# Altium PCB Urukul.PcbDoc (part 4 of 12)
Units mm, origin at the board's own origin, x right, y up, seen from the top; angles counter-clockwise.
Board outline 160.99 x 100 mm, 6 copper layers (L1, P2, L3, L4, P5, L6), stack 1.648 mm thick; 971 components, 541 nets, 3373 pads, 2358 vias.
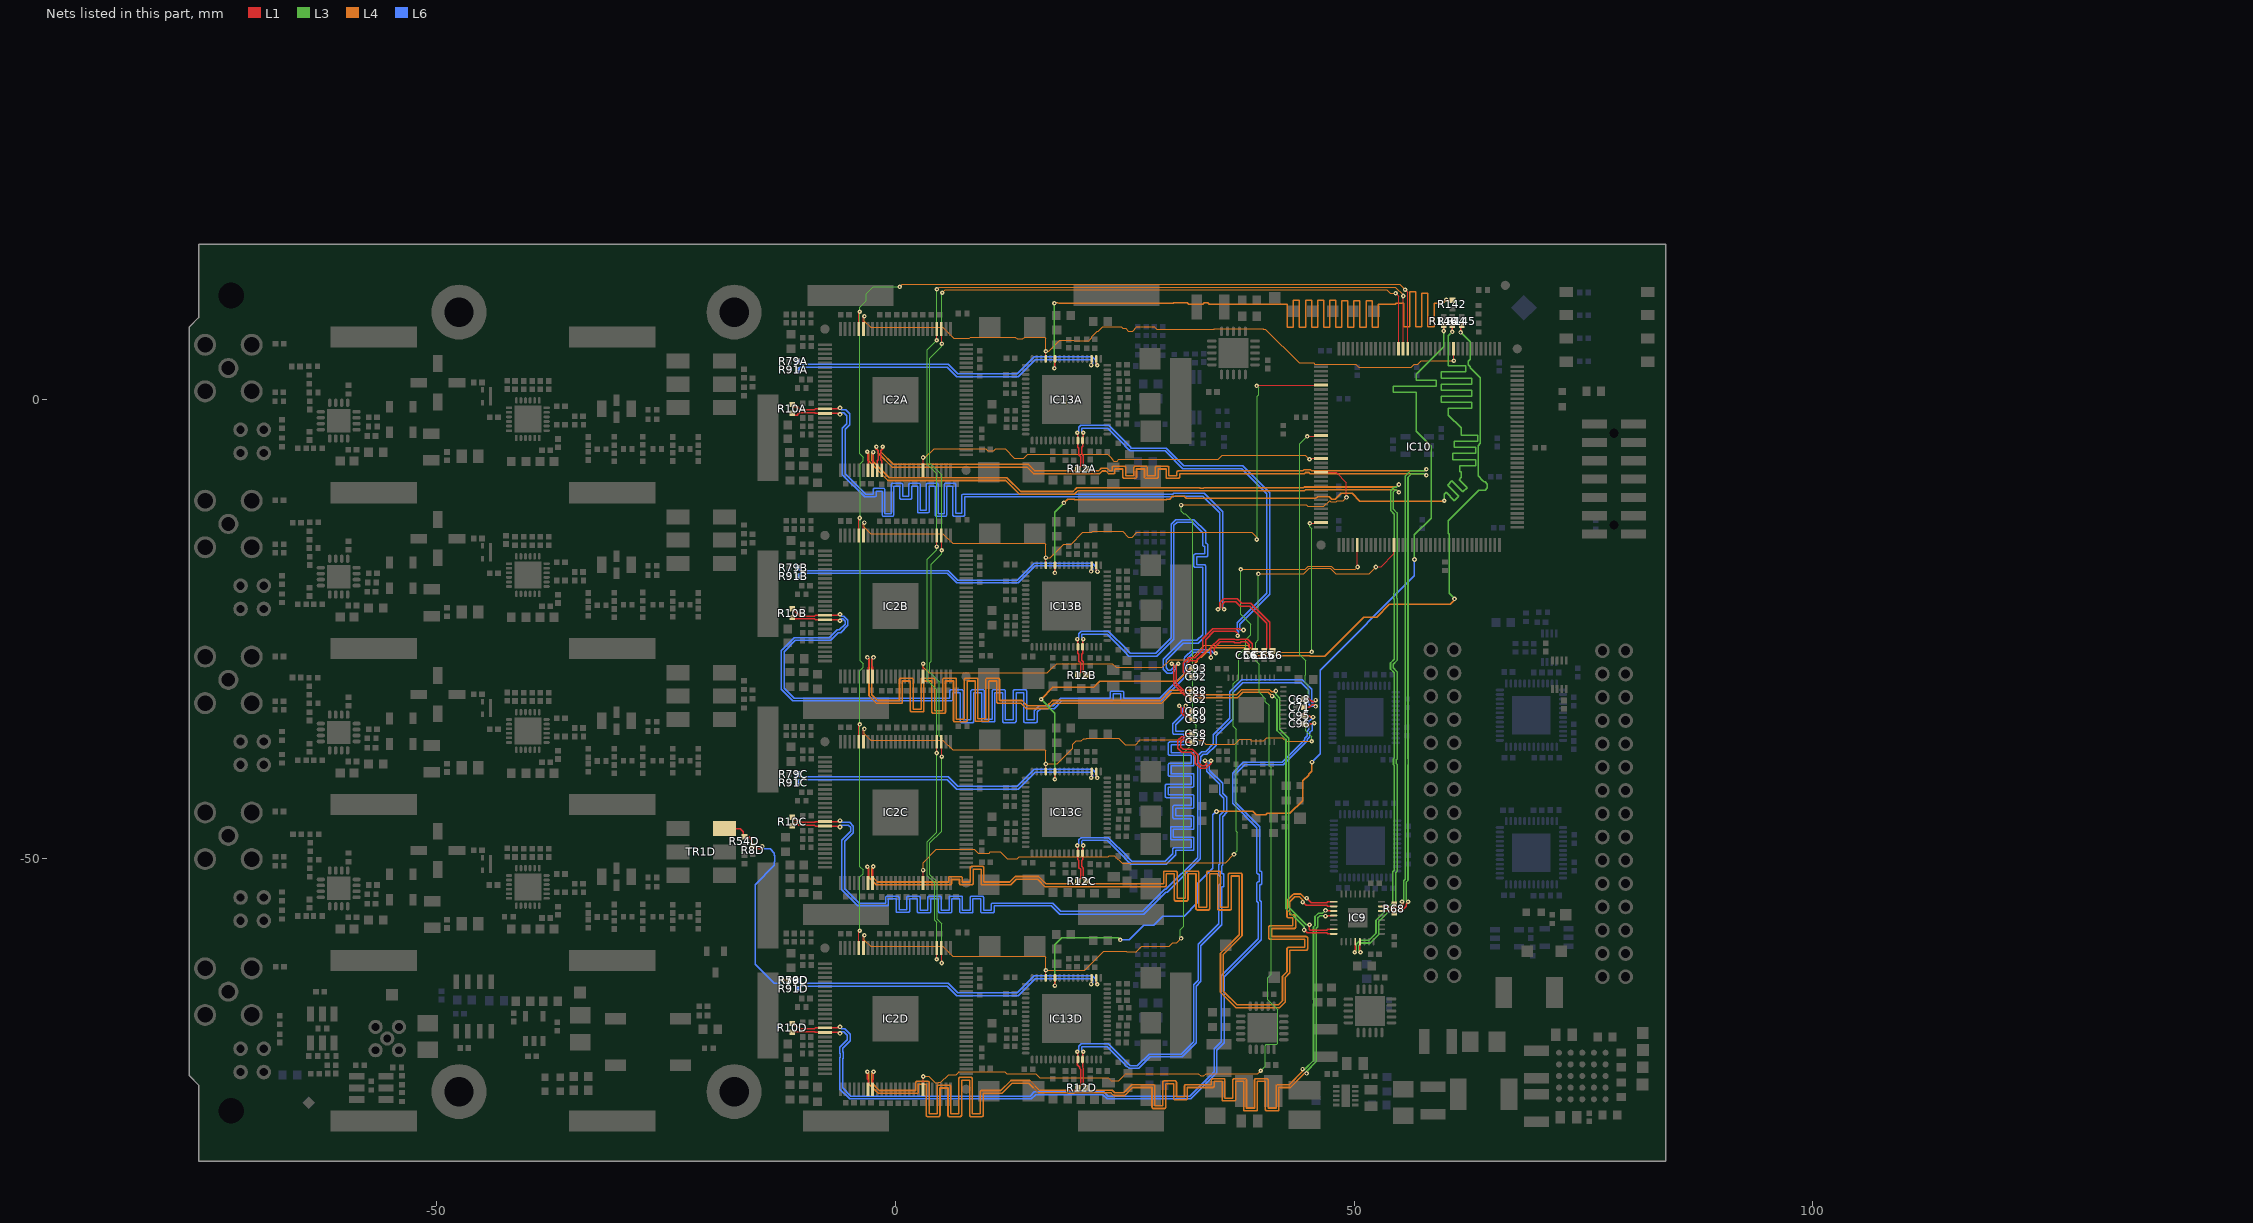
[diagram p8: the nets of this part, all layers, seen from the top]

## Via types
v1: diameter 0.5, hole 0.2, L1 to L6, tented both sides, 2267 vias
v2: diameter 0.6, hole 0.3, L1 to L6, tented both sides, 88 vias
v3: diameter 0.5, hole 0.2, L1 to L6, 3 vias

## Nets (pads, with @x,y where several pads share a name; then routed paths per layer and width w, separated by ;. In a path a pad name is that pad's centre, name@x,y a point inside that pad or via, vN(x,y) a via of type N, cw(c..) or ccw(c..) an arc to the next point about the centre after c; other vN are vias at no path point) (continued)
DAC_OUTD_P: R8D.2 R54D.1 R56D.2 R79D.2 TR1D.6 | length 25.5
  L1 w0.152: TR1D.6@-18.65,-46.776 -16.924,-46.776 -16.6,-47.099 -16.6,-47.669 R54D.1@-16.475,-47.669 -15.965,-47.669 -15.854,-47.78 -15.854,-47.899 -15.6,-48.153 R8D.2@-15.6,-48.658 ; R8D.2@-15.562,-48.658 R8D.2@-15.6,-48.658 ; v1@-14.513,-48.794 -14.682,-48.963 -15.001,-48.963 -15.013,-48.975 -15.282,-48.975 -15.579,-48.679 R8D.2@-15.6,-48.658 ; v1@-12.17,-63.328 R56D.2@-11.62,-63.328
  L6 w0.152: v1@-14.513,-48.794 -14.484,-48.794 -14.312,-48.965 -13.687,-48.965 -13.208,-49.444 -13.208,-49.698 -13.188,-49.718 -13.188,-50.366 -13.208,-50.386 -13.208,-50.789 -15.3,-52.88 -15.3,-61.551 -13.229,-63.622 -12.602,-63.622 v1(-12.297,-63.317) ; v1@-12.17,-63.328 R79D.2@-11.62,-63.328
  other v1: -14.513,-48.694
DAC_OUTRA_N: IC13A.51 R91A.1 | length 35
  L1 w0.152: v1@21.199,3.772 21.222,3.749 21.325,3.749 21.39,3.749 21.39,3.772 IC13A.51@21.39,4.45
  L6 w0.152: R91A.1@-10.68,3.247 -10.37,3.557 5.615,3.557 6.655,2.518 13.403,2.518 15.257,4.372 21.314,4.372 21.514,4.172 21.514,3.961 v1(21.325,3.772)
DAC_OUTRA_P: IC13A.50 R79A.1 | length 35.4
  L1 w0.152: IC13A.50@21.89,4.45 21.89,3.755 21.89,3.749 22.001,3.749 v1(22.007,3.755)
  L6 w0.152: R79A.1@-10.68,4.172 -10.37,3.862 5.741,3.862 6.781,2.822 13.276,2.822 15.131,4.677 21.44,4.677 21.819,4.299 21.819,3.944 v1(22.007,3.755)
DAC_OUTRB_N: IC13B.51 R91B.1 | length 34.9
  L1 w0.152: v1@21.199,-18.728 21.222,-18.751 v1@21.325,-18.751 ; v1@21.326,-18.751 21.337,-18.74 21.39,-18.687 IC13B.51@21.39,-18.05
  L6 w0.152: R91B.1@-10.68,-19.253 -10.37,-18.942 5.615,-18.942 6.655,-19.982 13.403,-19.982 15.257,-18.128 21.314,-18.128 21.514,-18.328 21.514,-18.539 v1(21.325,-18.728)
DAC_OUTRB_P: IC13B.50 R79B.1 | length 35.1
  L1 w0.152: IC13B.50@21.89,-18.05 21.89,-18.687 21.954,-18.751 22.001,-18.751 v1@22.008,-18.745
  L6 w0.152: R79B.1@-10.68,-18.328 -10.37,-18.638 5.741,-18.638 6.781,-19.678 13.276,-19.678 15.131,-17.823 21.44,-17.823 21.819,-18.201 21.819,-18.556
  other v1: 22.025,-18.745
DAC_OUTRC_N: IC13C.51 R91C.1 | length 34.9
  L1 w0.152: v1@21.288,-41.228 21.306,-41.246 21.311,-41.251 21.325,-41.251 21.39,-41.251 21.39,-41.228 IC13C.51@21.39,-40.55
  L6 w0.152: R91C.1@-10.68,-41.753 -10.37,-41.443 5.615,-41.443 6.655,-42.482 13.403,-42.482 15.257,-40.628 21.314,-40.628 21.514,-40.828 21.514,-41.039 v1(21.325,-41.228)
DAC_OUTRC_P: IC13C.50 R79C.1 | length 35.4
  L1 w0.152: v1@21.89,-41.354 21.89,-41.251 21.89,-41.245 IC13C.50@21.89,-40.55
  L6 w0.152: R79C.1@-10.68,-40.828 -10.37,-41.138 5.741,-41.138 6.781,-42.178 13.276,-42.178 15.131,-40.323 21.44,-40.323 21.819,-40.701 21.819,-41.056 v1(22.007,-41.245)
DAC_OUTRD_N: IC13D.51 R91D.1 | length 34.9
  L1 w0.152: v1@21.288,-63.728 21.306,-63.746 21.311,-63.751 21.325,-63.751 21.39,-63.751 21.39,-63.728 IC13D.51@21.39,-63.05
  L6 w0.152: R91D.1@-10.68,-64.253 -10.37,-63.943 5.615,-63.943 6.655,-64.982 13.403,-64.982 15.257,-63.128 21.314,-63.128 21.514,-63.328 21.514,-63.539 v1(21.325,-63.728)
DAC_OUTRD_P: IC13D.50 R79D.1 | length 35.4
  L1 w0.152: v1@21.89,-63.854 21.89,-63.751 21.89,-63.745 IC13D.50@21.89,-63.05
  L6 w0.152: R79D.1@-10.68,-63.328 -10.37,-63.638 5.741,-63.638 6.781,-64.678 13.276,-64.678 15.131,-62.823 21.44,-62.823 21.819,-63.201 21.819,-63.556 v1(22.007,-63.745)
DDR_RESET0: IC13A.59 R142.1 | length 118.5
  L1 w0.152: v1(17.327,3.429) 17.39,3.492 IC13A.59@17.39,4.45 ; v1(60.071,10.897) 60.109,10.859 R142.1@60.731,10.859
  L3 w0.152: v1(17.319,10.52) 17.327,10.512 v1(17.327,3.429)
  L4 w0.152: v1(17.319,10.52) 17.375,10.575 17.716,10.575 17.791,10.501 19.071,10.501 19.101,10.53 28.956,10.53 28.986,10.501 30.292,10.501 30.366,10.575 31.798,10.575 31.95,10.423 33.5,10.423 33.652,10.575 34.048,10.575 34.2,10.423 42.672,10.423 42.729,10.423 42.729,7.883 43.389,7.883 43.389,10.423 43.389,10.863 44.049,10.863 44.049,10.423 44.049,7.883 44.709,7.883 44.709,10.423 44.709,10.863 45.369,10.863 45.369,10.423 45.369,7.883 46.029,7.883 46.029,10.423 46.029,10.863 46.689,10.863 46.689,10.423 46.689,7.883 47.349,7.883 47.349,10.423 47.349,10.863 48.009,10.863 48.009,10.423 48.009,7.883 48.669,7.883 48.669,10.423 48.669,10.812 49.329,10.812 49.329,10.423 49.329,7.883 49.989,7.883 49.989,10.423 49.989,10.812 50.649,10.812 50.649,10.423 50.649,7.883 51.309,7.883 51.309,10.423 51.309,10.812 51.969,10.812 51.969,10.423 51.969,7.883 52.629,7.883 52.629,10.423 52.959,10.423 54.5,10.423 54.597,10.52 55.118,10.52 55.425,10.52 55.425,7.98 56.085,7.98 56.085,10.52 56.085,11.793 56.745,11.793 56.745,10.52 56.745,7.98 57.405,7.98 57.405,10.52 57.405,11.611 58.065,11.611 58.065,10.52 58.065,7.98 58.725,7.98 58.725,10.52 59.055,10.52 59.694,10.52 v1(60.071,10.897)
DDR_RESET1: IC13B.59 R144.1 | length 115.6
  L1 w0.152: v1(17.382,-18.895) 17.39,-18.887 IC13B.59@17.39,-18.05 ; v1(60.706,7.391) R144.1@60.706,8.09
  L3 w0.152: v1@17.382,-19.016 v1(17.382,-18.895) 17.382,-12.26 18.364,-11.278 v1(18.364,-11.252) ; v1(59.842,-11.024) 59.842,-10.338 60.063,-10.117 60.945,-10.999 61.412,-10.532 60.53,-9.65 60.211,-9.332 60.678,-8.865 60.997,-9.184 61.879,-10.066 62.345,-9.599 61.463,-8.717 61.697,-8.484 61.697,-7.846 61.553,-7.846 61.553,-7.186 61.697,-7.186 63.246,-7.186 63.246,-6.526 61.697,-6.526 60.763,-6.526 60.763,-5.866 61.697,-5.866 63.246,-5.866 63.246,-5.206 61.697,-5.206 60.953,-5.206 60.953,-4.546 61.697,-4.546 63.475,-4.546 63.475,-3.886 61.697,-3.886 61.697,-3.556 61.697,-3.073 60.3,-1.676 60.3,-1.597 60.3,-0.937 62.84,-0.937 62.84,-0.277 60.3,-0.277 59.486,-0.277 59.486,0.383 60.3,0.383 62.84,0.383 62.84,1.043 60.3,1.043 59.486,1.043 59.486,1.703 60.3,1.703 62.84,1.703 62.84,2.363 60.3,2.363 59.486,2.363 59.486,3.023 60.3,3.023 62.19,3.023 62.19,3.683 60.3,3.683 60.3,4.013 60.3,6.985 v1(60.706,7.391)
  L4 w0.152: v1(18.364,-11.252) 18.777,-10.839 19.466,-10.839 19.524,-10.897 29.533,-10.897 29.591,-10.839 29.877,-10.839 30.175,-10.541 31.471,-10.541 31.699,-10.77 44.781,-10.77 44.802,-10.748 45.521,-10.748 45.542,-10.77 45.822,-10.77 46.025,-10.566 47.273,-10.566 47.562,-10.856 47.938,-10.856 48.594,-10.2 49.798,-10.2 50.648,-11.049 59.842,-11.049 v1(59.842,-11.024)
DDR_RESET2: IC13C.59 R145.1 | length 94.6
  L1 w0.152: v1(17.382,-41.395) 17.39,-41.387 IC13C.59@17.39,-40.55 ; v1(61.62,7.341) R145.1@61.62,8.09
  L3 w0.152: v1(15.875,-32.664) 17.382,-34.171 v1(17.382,-41.395) ; v1(60.96,-21.717) 60.376,-21.133 60.376,-14.669 60.297,-14.59 60.297,-13.185 63.627,-9.856 64.288,-9.856 64.553,-9.59 64.553,-9.215 64.288,-8.95 64.169,-8.95 64.075,-8.856 64.062,-8.856 63.525,-8.319 63.525,-5.004 63.754,-4.775 63.754,2.413 62.662,3.505 62.662,3.588 62.437,3.812 62.437,4.188 62.662,4.412 62.662,6.299 v1(61.62,7.341)
  L4 w0.152: v1(15.875,-32.664) 17.17,-31.369 21.59,-31.369 22.276,-30.683 30.734,-30.683 32.919,-28.498 32.919,-28.332 33.184,-28.067 33.35,-28.067 34.366,-27.051 38.125,-27.051 38.989,-27.915 45.164,-27.915 45.202,-27.953 46.799,-27.953 51.054,-23.698 52.451,-23.698 53.848,-22.301 60.477,-22.301 60.96,-21.819 v1(60.96,-21.717)
DDR_RESET3: IC13D.59 R146.1 | length 113
  L1 w0.152: v1(17.382,-63.895) 17.39,-63.887 IC13D.59@17.39,-63.05 ; v1(59.792,7.493) R146.1@59.792,8.09
  L3 w0.152: v1@17.382,-63.986 v1(17.382,-63.895) 17.382,-59.453 18.136,-58.699 24.308,-58.699 v1(24.511,-58.903) ; v1(56.591,-17.424) 56.591,-14.732 58.42,-12.903 58.42,-5.08 56.794,-3.454 56.794,0.559 56.794,0.814 54.254,0.814 54.254,1.474 56.794,1.474 58.953,1.474 58.953,2.134 56.794,2.134 56.794,2.464 56.794,2.794 59.792,5.791 v1(59.792,7.493)
  L4 w0.152: v1(35.001,-44.907) 38.964,-44.907 39.319,-45.263 40.398,-45.263 40.55,-45.11 43.002,-45.11 44.399,-43.713 44.399,-41.58 45.047,-40.932 45.047,-40.865 45.312,-40.6 45.379,-40.6 45.415,-40.564 v1(45.415,-39.522)
  L6 w0.152: v1(24.511,-58.903) 25.502,-58.903 27.076,-57.328 28.143,-57.328 29.159,-56.312 31.471,-56.312 32.918,-54.864 32.918,-52.781 34.62,-51.079 34.62,-45.288 v1(35.001,-44.907) ; v1(45.415,-39.522) 46.304,-38.633 46.304,-34.599 46.296,-34.59 46.296,-29.498 56.591,-19.202 v1(56.591,-17.424)
DDS0_SYNC_IN_N: IC2A.8 IC9.4 | length 117.8
  L1 w0.152: IC2A.8@-2.5,-7.7 -2.5,-6.674 -2.416,-6.59 -2.416,-5.781 -2.455,-5.742 -2.486,-5.711 v1(-2.424,-5.711) ; v1(50.077,-60.25) 50.14,-60.186 IC9.4@50.14,-59.1
  L3 w0.178: v1@50.238,-60.089 50.238,-59.374 50.666,-58.945 51.64,-58.945 52.39,-58.195 52.39,-56.769 54.233,-54.926 54.233,-51.462 54.39,-51.305 54.39,-39.893 54.304,-39.807 54.304,-39.148 54.39,-39.062 54.39,-29.779 53.983,-29.372 53.983,-28.712 54.39,-28.305 54.39,-21.774 54.347,-21.731 54.347,-21.093 54.39,-21.05 54.39,-12.481 53.988,-12.079 53.988,-9.922 54.37,-9.54 54.6,-9.54 v1(54.89,-9.25)
  L4 w0.178: v1(-2.424,-5.711) -2.598,-5.885 -2.598,-6.6 -0.693,-8.505 12.137,-8.505 13.651,-10.018 19.353,-10.018 19.765,-9.607 33.17,-9.607 33.207,-9.643 33.593,-9.643 33.63,-9.607 44.497,-9.607 44.589,-9.515 46.036,-9.515 46.049,-9.528 54.612,-9.528 v1(54.89,-9.25)
DDS0_SYNC_IN_P: IC2A.7 IC9.5 | length 117.8
  L1 w0.152: v1(-3.089,-5.67) -3.055,-5.67 -3.051,-5.674 -3.051,-6.623 -3,-6.674 IC2A.7@-3,-7.7 ; IC9.5@50.64,-59.1 50.64,-60.186 v1(50.704,-60.25)
  L3 w0.178: v1@50.542,-60.089 50.542,-59.5 50.792,-59.25 51.766,-59.25 52.695,-58.321 52.695,-56.895 54.538,-55.052 54.538,-51.589 54.695,-51.432 54.695,-39.767 54.609,-39.681 54.609,-39.274 54.695,-39.189 54.695,-29.652 54.288,-29.245 54.288,-28.839 54.695,-28.432 54.695,-21.648 54.652,-21.605 54.652,-21.219 54.695,-21.177 54.695,-12.355 54.293,-11.953 54.293,-10.048 54.496,-9.845 54.623,-9.845 54.867,-10.088 v1(54.89,-10.088)
  L4 w0.178: v1(-3.089,-5.67) -2.902,-5.857 -2.902,-6.726 -0.819,-8.809 12.011,-8.809 13.525,-10.323 19.479,-10.323 19.75,-10.053 19.891,-9.912 33.044,-9.912 33.081,-9.948 33.719,-9.948 33.756,-9.912 44.624,-9.912 44.716,-9.82 45.91,-9.82 45.923,-9.833 54.635,-9.833 v1(54.89,-10.088)
DDS0_SYNC_OUT_N: IC2A.10 IC9.15 R68.1 | length 121.8
  L1 w0.152: IC2A.10@-1.5,-7.7 -1.5,-6.674 -1.598,-6.576 -1.598,-5.602 -1.426,-5.43 v1@-1.426,-5.202 ; IC9.15@52.99,-55.25 53.666,-55.25 53.764,-55.348 54.39,-55.348 55.14,-55.348 55.39,-55.098 55.39,-54.911 v1(55.229,-54.75)
  L3 w0.178: v1(55.229,-54.75) 55.407,-54.572 55.407,-52.468 55.583,-52.292 55.583,-21.606 55.584,-21.605 55.584,-21.219 55.583,-21.218 55.583,-8.322 56.137,-7.768 57.716,-7.768 v1(57.89,-7.594)
  L4 w0.178: -1.591,-5.506 -1.591,-5.711 -0.258,-7.044 14.46,-7.044 15.185,-7.768 22.142,-7.768 22.431,-7.479 23.069,-7.479 23.358,-7.768 23.605,-7.768 23.614,-7.759 23.614,-7.412 cw(c23.767,-7.412) 23.767,-7.26 24.944,-7.26 cw(c24.944,-7.412) 25.097,-7.412 25.097,-8.276 25.97,-8.276 25.97,-7.412 cw(c26.122,-7.412) 26.122,-7.26 27.3,-7.26 cw(c27.3,-7.412) 27.453,-7.412 27.453,-8.276 28.326,-8.276 28.326,-7.412 cw(c28.478,-7.412) 28.478,-7.26 29.656,-7.26 cw(c29.656,-7.412) 29.808,-7.412 29.808,-8.276 30.681,-8.276 30.681,-7.92 cw(c30.834,-7.92) 30.834,-7.768 44.445,-7.768 44.581,-7.632 45.219,-7.632 45.355,-7.768 57.716,-7.768 v1(57.89,-7.594) ; -1.553,-5.506 -1.401,-5.354 v1(-1.401,-5.126)
DDS0_SYNC_OUT_P: IC2A.9 IC9.14 R68.2 | length 122.4
  L1 w0.152: v1(-2.086,-5.126) -2.086,-5.379 -1.934,-5.532 ; IC2A.9@-2,-7.7 -2,-6.674 -1.902,-6.576 -1.902,-5.532 ; IC9.14@52.99,-55.75 53.666,-55.75 53.764,-55.652 54.39,-55.652 55.266,-55.652 55.695,-55.224 55.695,-55 55.89,-54.805 v1(55.89,-54.75)
  L3 w0.178: v1(55.89,-54.75) 55.712,-54.572 55.712,-52.594 55.888,-52.418 55.888,-39.815 55.896,-39.807 55.896,-39.148 55.888,-39.14 55.888,-21.732 55.889,-21.731 55.889,-21.093 55.888,-21.092 55.888,-8.448 56.263,-8.073 57.716,-8.073 v1(57.89,-8.247)
  L4 w0.178: v1(-2.086,-5.126) -2.086,-5.354 -1.896,-5.544 -1.896,-5.837 -0.384,-7.348 14.334,-7.348 15.059,-8.073 22.284,-8.073 22.284,-8.057 22.557,-7.784 22.943,-7.784 23.216,-8.057 23.216,-8.073 23.767,-8.073 ccw(c23.767,-7.92) 23.919,-7.92 23.919,-7.565 24.792,-7.565 24.792,-8.428 ccw(c24.944,-8.428) 24.944,-8.581 26.122,-8.581 ccw(c26.122,-8.428) 26.275,-8.428 26.275,-7.565 27.148,-7.565 27.148,-8.428 ccw(c27.3,-8.428) 27.3,-8.581 28.478,-8.581 ccw(c28.478,-8.428) 28.63,-8.428 28.63,-7.565 29.503,-7.565 29.503,-8.428 ccw(c29.656,-8.428) 29.656,-8.581 30.834,-8.581 ccw(c30.834,-8.428) 30.986,-8.428 30.986,-8.073 44.571,-8.073 44.707,-7.937 45.093,-7.937 45.229,-8.073 57.716,-8.073 v1(57.89,-8.247)
DDS1_SYNC_IN_N: IC2B.8 IC9.31 | length 118.4
  L1 w0.152: IC2B.8@-2.5,-30.2 -2.5,-29.174 -2.598,-29.076 -2.598,-28.352 -2.403,-28.158 v1(-2.403,-28.098) ; v1(45.14,-57.25) 45.14,-57.75 45.238,-57.848 47.016,-57.848 47.114,-57.75 IC9.31@47.79,-57.75
  L3 w0.178: v1(41.475,-31.77) 41.475,-32.076 41.534,-32.136 41.534,-32.19 41.908,-32.563 41.908,-35.946 42.89,-36.929 42.89,-55.364 44.776,-57.25 v1(45.14,-57.25)
  L4 w0.178: v1(-2.403,-28.098) -2.581,-28.276 -2.581,-31.512 -2.591,-31.522 -2.591,-32.162 -1.95,-32.803 0.436,-32.803 0.436,-30.522 cw(c0.589,-30.522) 0.589,-30.369 1.767,-30.369 cw(c1.767,-30.522) 1.919,-30.522 1.919,-33.743 2.792,-33.743 2.792,-30.522 cw(c2.945,-30.522) 2.945,-30.369 4.122,-30.369 cw(c4.122,-30.522) 4.275,-30.522 4.275,-33.903 5.148,-33.903 5.148,-30.522 cw(c5.3,-30.522) 5.3,-30.369 6.478,-30.369 cw(c6.478,-30.522) 6.63,-30.522 6.63,-34.829 7.503,-34.829 7.503,-30.522 cw(c7.656,-30.522) 7.656,-30.369 8.834,-30.369 cw(c8.834,-30.522) 8.986,-30.522 8.986,-34.781 9.859,-34.781 9.859,-30.522 cw(c10.011,-30.522) 10.011,-30.369 11.189,-30.369 cw(c11.189,-30.522) 11.342,-30.522 11.342,-32.793 11.351,-32.803 13.803,-32.803 14.376,-33.376 16.535,-33.376 17.108,-32.803 28.856,-32.803 29.957,-31.701 32.023,-31.701 32.516,-32.195 33.514,-32.195 37.16,-32.195 37.743,-31.612 40.783,-31.612 41.034,-31.863 41.382,-31.863 v1(41.475,-31.77)
DDS1_SYNC_IN_P: IC2B.7 IC9.32 | length 118.6
  L1 w0.152: v1(-3.063,-28.098) -2.902,-28.26 -2.902,-29.076 -3,-29.174 IC2B.7@-3,-30.2 ; v1(44.561,-57.829) 44.573,-57.829 44.896,-58.152 47.016,-58.152 47.114,-58.25 IC9.32@47.79,-58.25
  L3 w0.178: v1(41.069,-32.329) 41.242,-32.329 41.603,-32.689 41.603,-36.073 42.585,-37.055 42.585,-55.49 44.243,-57.147 44.561,-57.466 v1(44.561,-57.829)
  L4 w0.178: v1(-3.063,-28.098) -2.886,-28.276 -2.886,-31.385 -2.896,-31.395 -2.896,-32.288 -2.886,-32.298 -2.166,-33.018 -2.076,-33.107 0.589,-33.107 ccw(c0.589,-32.955) 0.741,-32.955 0.741,-30.674 1.614,-30.674 1.614,-33.895 ccw(c1.767,-33.895) 1.767,-34.048 2.945,-34.048 ccw(c2.945,-33.895) 3.097,-33.895 3.097,-30.674 3.97,-30.674 3.97,-34.055 ccw(c4.122,-34.055) 4.122,-34.207 5.3,-34.207 ccw(c5.3,-34.055) 5.453,-34.055 5.453,-30.674 6.326,-30.674 6.326,-34.982 ccw(c6.478,-34.982) 6.478,-35.134 7.656,-35.134 ccw(c7.656,-34.982) 7.808,-34.982 7.808,-30.674 8.681,-30.674 8.681,-34.933 ccw(c8.834,-34.933) 8.834,-35.086 10.011,-35.086 ccw(c10.011,-34.933) 10.164,-34.933 10.164,-30.674 11.037,-30.674 11.037,-32.955 ccw(c11.189,-32.955) 11.189,-33.107 13.677,-33.107 14.25,-33.68 16.662,-33.68 17.235,-33.107 28.982,-33.107 29.071,-33.018 30.083,-32.006 31.896,-32.006 32.39,-32.5 33.64,-32.5 37.286,-32.5 37.869,-31.917 40.657,-31.917 40.908,-32.168 41.069,-32.168 v1(41.069,-32.329)
DDS2_SYNC_IN_N: IC2C.8 IC9.25 | length 117.7
  L1 w0.152: IC2C.8@-2.5,-52.7 -2.5,-50.979 v1(-2.428,-50.908) ; v1@-2.449,-50.887 -2.428,-50.865 v1@-2.428,-50.755 ; v1(44.844,-54.345) 45.346,-54.848 47.016,-54.848 47.114,-54.75 IC9.25@47.79,-54.75
  L4 w0.178: v1(-2.428,-50.908) -2.428,-50.957 -2.604,-51.133 -2.604,-51.964 -1.97,-52.598 5.797,-52.598 5.797,-52.171 cw(c5.95,-52.171) 5.95,-52.018 7.128,-52.018 cw(c7.128,-52.171) 7.28,-52.171 7.28,-52.598 8.153,-52.598 8.153,-51.049 cw(c8.306,-51.049) 8.306,-50.896 9.483,-50.896 cw(c9.483,-51.049) 9.636,-51.049 9.636,-52.598 12.455,-52.598 13.055,-51.998 15.626,-51.998 16.431,-52.803 29.231,-52.803 29.231,-51.557 cw(c29.383,-51.557) 29.383,-51.404 30.561,-51.404 cw(c30.561,-51.557) 30.713,-51.557 30.713,-54.366 31.586,-54.366 31.586,-51.557 cw(c31.739,-51.557) 31.739,-51.404 32.916,-51.404 cw(c32.916,-51.557) 33.069,-51.557 33.069,-55.343 33.942,-55.343 33.942,-51.557 cw(c34.094,-51.557) 34.094,-51.404 35.272,-51.404 cw(c35.272,-51.557) 35.424,-51.557 35.424,-55.343 36.297,-55.343 36.297,-51.794 cw(c36.45,-51.794) 36.45,-51.642 37.628,-51.642 cw(c37.628,-51.794) 37.78,-51.794 37.78,-58.47 35.75,-60.5 35.75,-64.5 37.25,-66 41.75,-66 42.195,-65.555 42.195,-62.874 42.284,-62.784 42.695,-62.374 42.695,-59.872 cw(c42.848,-59.872) 42.848,-59.72 44.63,-59.72 44.63,-58.847 40.861,-58.847 cw(c40.861,-58.695) 40.709,-58.695 40.709,-57.517 cw(c40.861,-57.517) 40.861,-57.364 43.321,-57.364 43.321,-56.491 42.848,-56.491 cw(c42.848,-56.339) 42.695,-56.339 42.695,-54.624 42.784,-54.534 43.319,-54 43.408,-53.911 44.182,-53.911 44.271,-54 44.616,-54.345 v1(44.844,-54.345)
DDS2_SYNC_IN_P: IC2C.7 IC9.26 | length 118.2
  L1 w0.152: v1(-3.063,-50.933) -3,-50.996 IC2C.7@-3,-52.7 ; v1@-3.063,-50.781 v1@-2.987,-50.857 ; v1(44.401,-54.789) 44.764,-55.152 47.016,-55.152 47.114,-55.25 IC9.26@47.79,-55.25
  L4 w0.178: v1(-3.063,-50.933) -2.909,-51.087 -2.909,-51.838 -2.909,-52.09 -2.097,-52.903 5.95,-52.903 ccw(c5.95,-52.75) 6.102,-52.75 6.102,-52.323 6.975,-52.323 6.975,-52.75 ccw(c7.128,-52.75) 7.128,-52.903 8.306,-52.903 ccw(c8.306,-52.75) 8.458,-52.75 8.458,-51.201 9.331,-51.201 9.331,-52.75 ccw(c9.483,-52.75) 9.483,-52.903 12.581,-52.903 13.181,-52.303 15.5,-52.303 16.305,-53.107 29.383,-53.107 ccw(c29.383,-52.955) 29.535,-52.955 29.535,-51.709 30.408,-51.709 30.408,-54.518 ccw(c30.561,-54.518) 30.561,-54.67 31.739,-54.67 ccw(c31.739,-54.518) 31.891,-54.518 31.891,-51.709 32.764,-51.709 32.764,-55.495 ccw(c32.916,-55.495) 32.916,-55.647 34.094,-55.647 ccw(c34.094,-55.495) 34.247,-55.495 34.247,-51.709 35.12,-51.709 35.12,-55.495 ccw(c35.272,-55.495) 35.272,-55.647 36.45,-55.647 ccw(c36.45,-55.495) 36.602,-55.495 36.602,-51.947 37.475,-51.947 37.475,-58.344 35.445,-60.374 35.445,-64.626 37.124,-66.305 41.876,-66.305 41.966,-66.216 42.5,-65.681 42.5,-63 43,-62.5 43,-60.025 44.783,-60.025 ccw(c44.783,-59.872) 44.935,-59.872 44.935,-58.695 ccw(c44.783,-58.695) 44.783,-58.542 41.014,-58.542 41.014,-57.669 43.474,-57.669 ccw(c43.474,-57.517) 43.626,-57.517 43.626,-56.339 ccw(c43.474,-56.339) 43.474,-56.186 43,-56.186 43,-54.75 43.534,-54.216 44.055,-54.216 44.401,-54.561 v1(44.401,-54.789)
DDS3_SYNC_IN_N: IC2D.8 IC9.27 | length 117.8
  L1 w0.152: IC2D.8@-2.5,-75.2 -2.5,-74.174 -2.416,-74.09 -2.416,-73.383 -2.403,-73.37 v1(-2.403,-73.285) ; v1@46.864,-55.661 v1(46.89,-55.686) 46.954,-55.75 IC9.27@47.79,-55.75
  L3 w0.178: v1(44.39,-73) 44.64,-73 45.585,-72.055 45.585,-65.862 45.591,-65.856 45.591,-65.449 45.585,-65.444 45.585,-57.499 45.75,-57.334 45.75,-56.361 46.124,-55.988 46.557,-55.988 46.858,-55.686 v1(46.89,-55.686)
  L4 w0.178: v1(-2.403,-73.285) -2.604,-73.486 -2.604,-74.494 -1.766,-75.332 2.186,-75.332 2.186,-74.489 cw(c2.339,-74.489) 2.339,-74.336 3.517,-74.336 cw(c3.517,-74.489) 3.669,-74.489 3.669,-77.872 4.542,-77.872 4.542,-74.9 cw(c4.694,-74.9) 4.694,-74.747 5.872,-74.747 cw(c5.872,-74.9) 6.025,-74.9 6.025,-77.872 6.898,-77.872 6.898,-74.055 cw(c7.05,-74.055) 7.05,-73.903 8.228,-73.903 cw(c8.228,-74.055) 8.38,-74.055 8.38,-77.872 9.253,-77.872 9.253,-75.484 cw(c9.406,-75.484) 9.406,-75.332 11.489,-75.332 12.583,-74.237 14.655,-74.237 15.71,-75.292 18.931,-75.292 18.959,-75.32 19.345,-75.32 19.372,-75.292 23.633,-75.292 23.911,-75.57 24.883,-75.57 25.75,-74.703 28.128,-74.703 cw(c28.128,-74.855) 28.28,-74.855 28.28,-76.993 29.153,-76.993 29.153,-74.439 cw(c29.305,-74.439) 29.305,-74.287 30.483,-74.287 cw(c30.483,-74.439) 30.636,-74.439 30.636,-76.022 31.509,-76.022 31.509,-74.855 cw(c31.661,-74.855) 31.661,-74.703 34.436,-74.703 34.436,-74.189 cw(c34.589,-74.189) 34.589,-74.037 35.767,-74.037 cw(c35.767,-74.189) 35.919,-74.189 35.919,-76.161 36.792,-76.161 36.792,-74.189 cw(c36.945,-74.189) 36.945,-74.037 38.122,-74.037 cw(c38.122,-74.189) 38.275,-74.189 38.275,-77.243 39.148,-77.243 39.148,-74.185 cw(c39.3,-74.185) 39.3,-74.033 40.478,-74.033 cw(c40.478,-74.185) 40.63,-74.185 40.63,-77.243 41.503,-77.243 41.503,-74.855 cw(c41.656,-74.855) 41.656,-74.703 42.926,-74.703 44.39,-73.238 v1(44.39,-73)
DDS3_SYNC_IN_P: IC2D.7 IC9.28 | length 118.1
  L1 w0.152: v1(-3.063,-73.285) -3.077,-73.298 -3.077,-74.097 -3,-74.174 IC2D.7@-3,-75.2 ; v1(46.89,-56.313) 46.954,-56.25 IC9.28@47.79,-56.25
  L3 w0.178: v1(44.832,-73.466) 44.832,-73.239 45.896,-72.175 45.896,-70.607 45.89,-70.601 45.89,-70.004 45.896,-69.998 45.896,-65.323 45.89,-65.317 45.89,-57.625 46.055,-57.46 46.055,-56.488 46.25,-56.292 46.869,-56.292 v1(46.89,-56.313)
  L4 w0.178: v1(-3.063,-73.285) -2.909,-73.439 -2.909,-74.62 -1.892,-75.637 2.339,-75.637 ccw(c2.339,-75.484) 2.491,-75.484 2.491,-74.641 3.364,-74.641 3.364,-78.024 ccw(c3.517,-78.024) 3.517,-78.177 4.694,-78.177 ccw(c4.694,-78.024) 4.847,-78.024 4.847,-75.052 5.72,-75.052 5.72,-78.024 ccw(c5.872,-78.024) 5.872,-78.177 7.05,-78.177 ccw(c7.05,-78.024) 7.203,-78.024 7.203,-74.208 8.076,-74.208 8.076,-78.024 ccw(c8.228,-78.024) 8.228,-78.177 9.406,-78.177 ccw(c9.406,-78.024) 9.558,-78.024 9.558,-75.637 11.615,-75.637 12.71,-74.542 14.529,-74.542 15.583,-75.597 18.805,-75.597 18.832,-75.624 19.471,-75.624 19.498,-75.597 23.507,-75.597 23.785,-75.875 25.009,-75.875 25.876,-75.007 27.975,-75.007 27.975,-77.145 ccw(c28.128,-77.145) 28.128,-77.298 29.305,-77.298 ccw(c29.305,-77.145) 29.458,-77.145 29.458,-74.592 30.331,-74.592 30.331,-76.174 ccw(c30.483,-76.174) 30.483,-76.326 31.661,-76.326 ccw(c31.661,-76.174) 31.813,-76.174 31.813,-75.007 34.589,-75.007 ccw(c34.589,-74.855) 34.741,-74.855 34.741,-74.342 35.614,-74.342 35.614,-76.313 ccw(c35.767,-76.313) 35.767,-76.465 36.945,-76.465 ccw(c36.945,-76.313) 37.097,-76.313 37.097,-74.342 37.97,-74.342 37.97,-77.395 ccw(c38.122,-77.395) 38.122,-77.547 39.3,-77.547 ccw(c39.3,-77.395) 39.453,-77.395 39.453,-74.337 40.326,-74.337 40.326,-77.395 ccw(c40.478,-77.395) 40.478,-77.547 41.656,-77.547 ccw(c41.656,-77.395) 41.808,-77.395 41.808,-75.007 43.052,-75.007 44.593,-73.466 v1(44.832,-73.466)